# Altium PCB EVK-IRIS-W1.PcbDoc (part 4 of 9)
Units mm, origin at the board's own origin, x right, y up, seen from the top; angles counter-clockwise.
Board outline 94.11 x 129.93 mm, 6 copper layers (L1, L2, L3, L4, L5, L6), stack 1.547 mm thick; 619 components, 422 nets, 2042 pads, 1499 vias.
Unrouted connection lines stored in the file: 4.
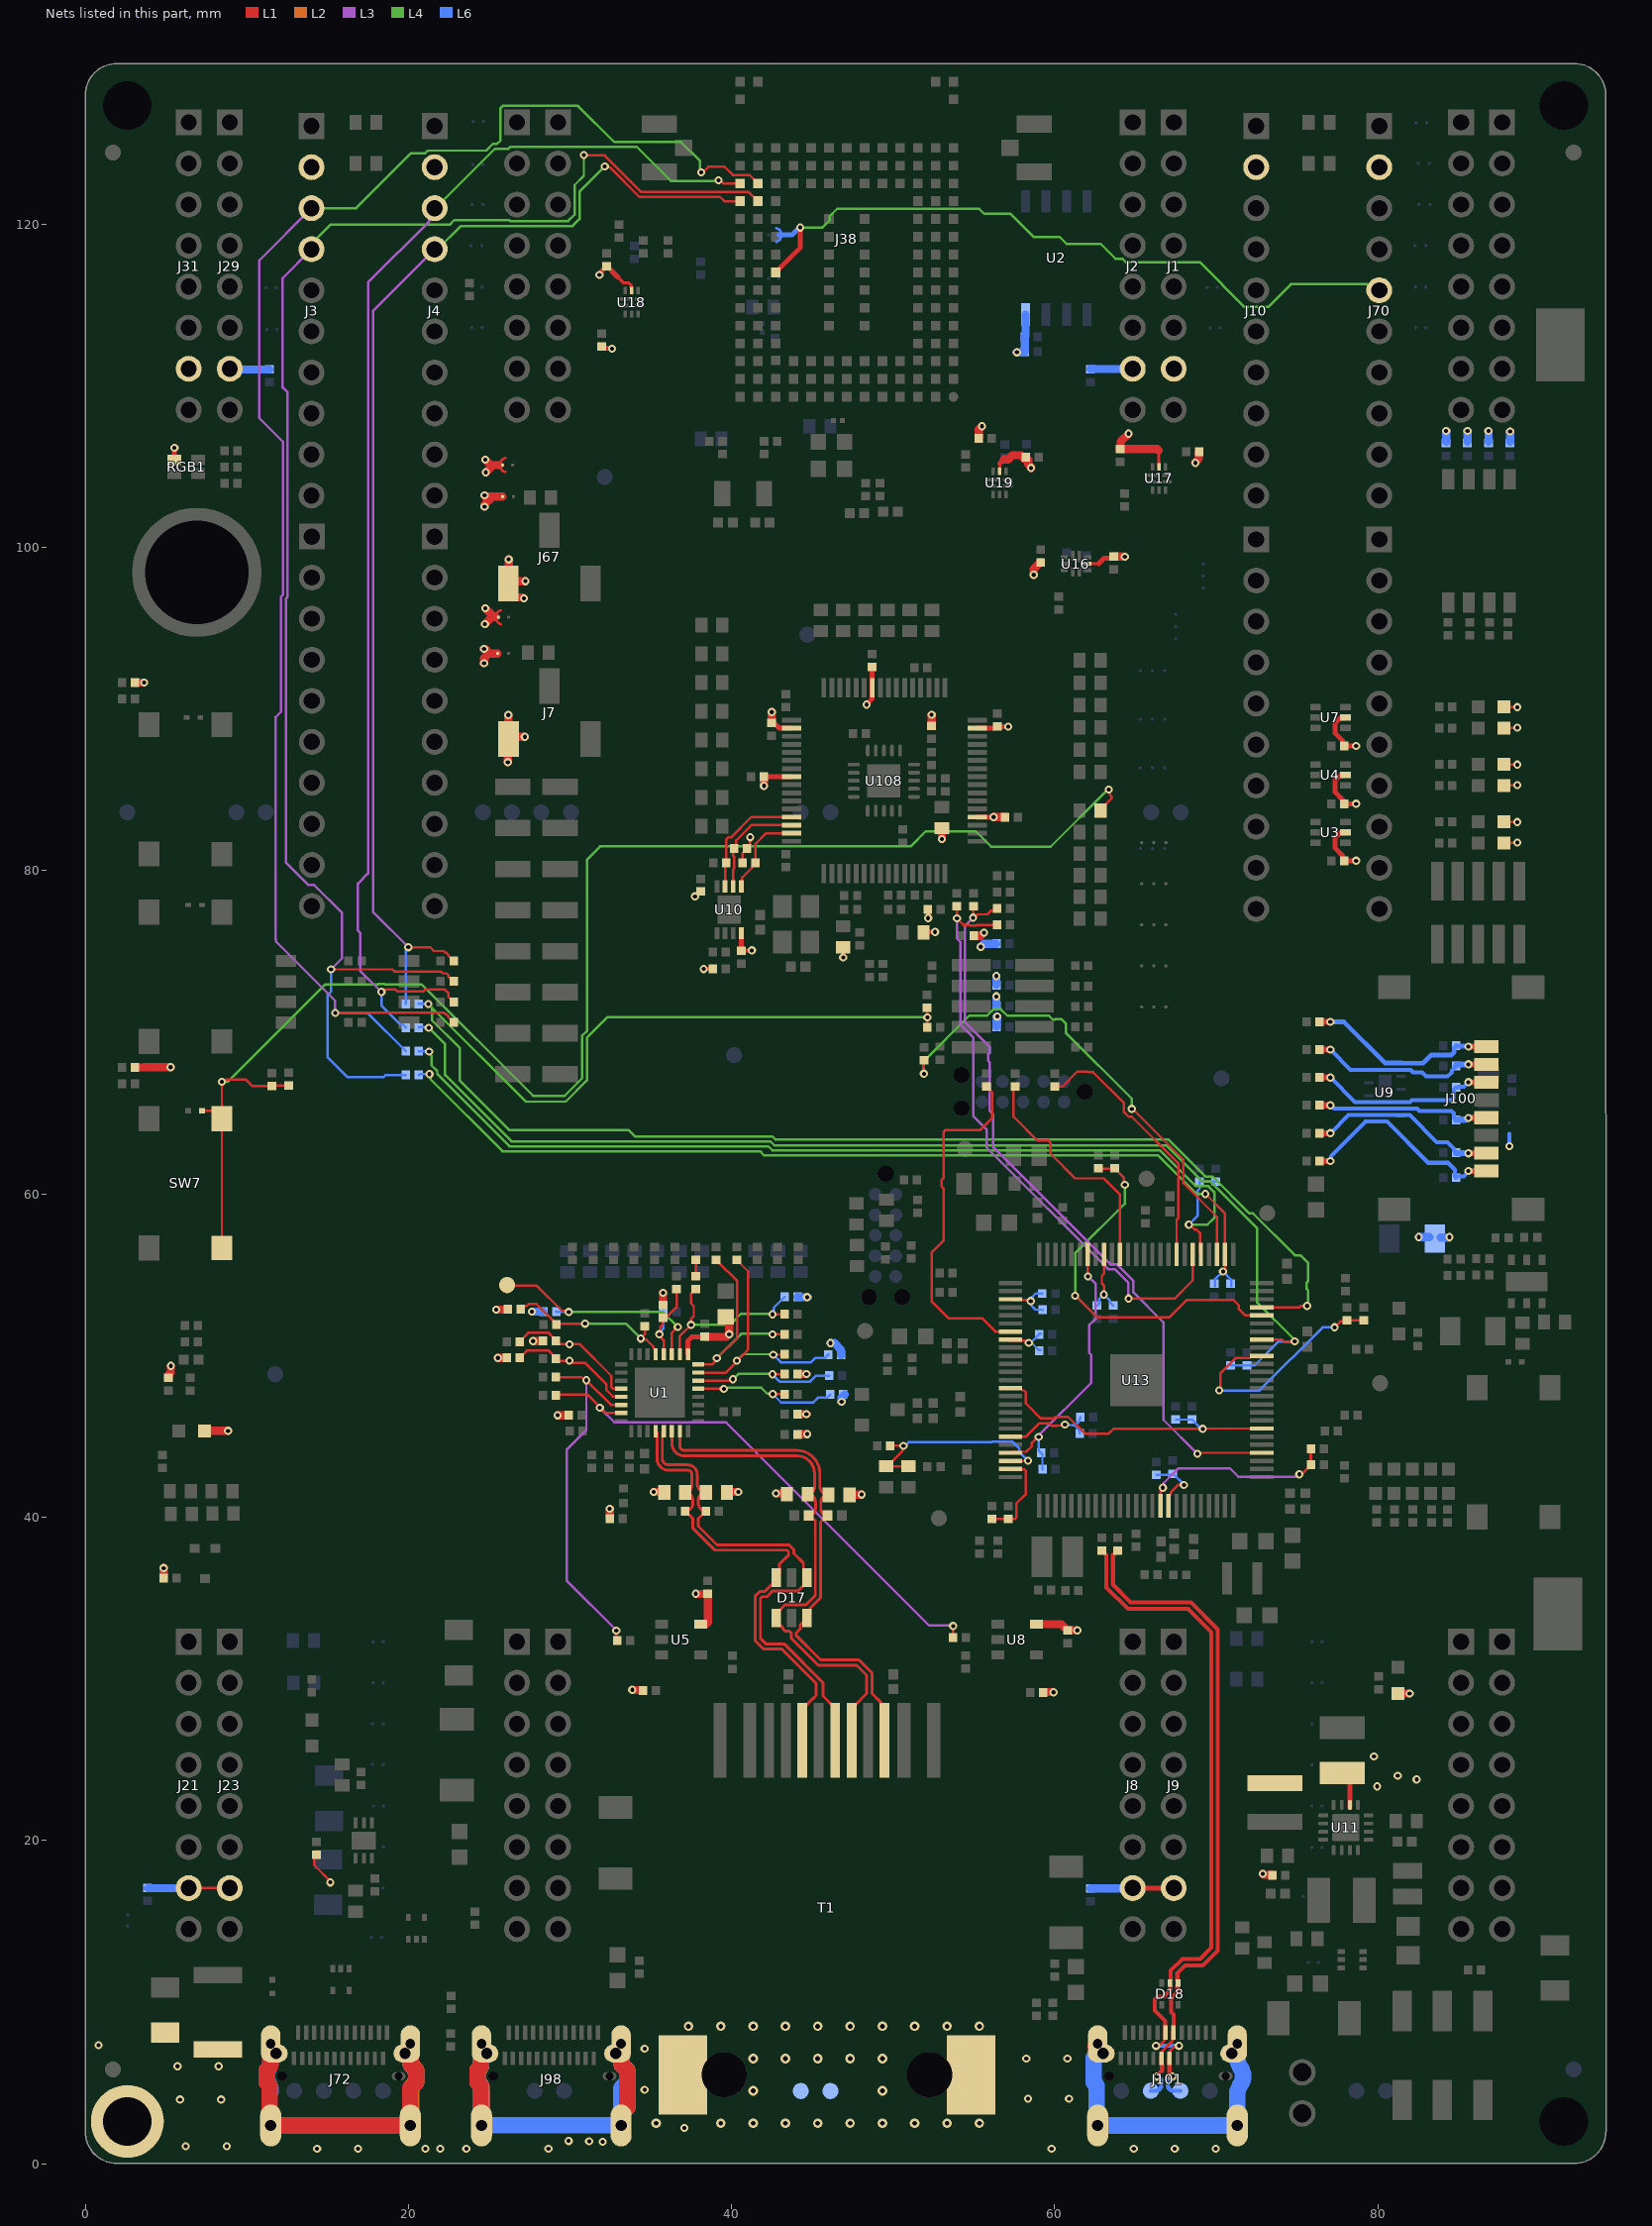
[diagram p8: the nets of this part, all layers, seen from the top]

## Via types
v1: diameter 0.508, hole 0.254, L1 to L6, 992 vias
v2: diameter 0.508, hole 0.254, L1 to L6, tented both sides, 288 vias
v3: diameter 0.5, hole 0.25, L1 to L6, 184 vias
v4: diameter 0.6, hole 0.3, L1 to L6, 27 vias
v5: diameter 0.5, hole 0.3, L1 to L6, 5 vias
v6: diameter 0.5, hole 0.2, L1 to L6, tented top, 2 vias
v7: diameter 0.6, hole 0.3, L1 to L6, tented both sides, 1 vias

## Nets (pads, with @x,y where several pads share a name; then routed paths per layer and width w, separated by ;. In a path a pad name is that pad's centre, name@x,y a point inside that pad or via, vN(x,y) a via of type N, cw(c..) or ccw(c..) an arc to the next point about the centre after c; other vN are vias at no path point) (continued)
+3V3: C2.2 C4.2 C5.2 C6.2 C13.1 C20.1 C21.1 C24.1 C25.1 C28.1 C39.1 C40.1 C41.1 C47.1 C60.1 C69.1 C75.1 C76.1 C77.1 C104.1 C105.1 C106.1 C107.1 C110.1 D2.2 D4.2 D5.2 D6.2 D7.2 D8.2 D9.2 D10.2 F3.1 F4.1 F5.1 J1.7 J2.7 J3.2 J4.2 J7.3 J8.7 J9.7 J10.2 J21.7 J23.7 J29.7 J31.7 J67.3 J70.2 J94.1 J95.1 J96.1 J97.1 J99.1 L3.2 R16.1 R17.1 R18.2 R20.2 R22.1 R23.1 R25.2 R26.2 R39.2 R45.1 R49.2 R81.2 R85.1 R86.2 R87.2 R88.2 R89.1 R91.2 R104.2 R105.2 R112.2 R113.1 R125.2 R128.2 R130.2 R131.2 R132.1 R133.2 R135.2 R146.2 R152.2 R155.2 R159.2 R160.2 R164.2 R165.2 R166.2 R168.2 R172.2 R209.2 R211.2 R252.1 R254.1 R256.1 R258.1 RGB1.4 U1.17 U2.8 U3.5 U4.5 U5.5 U7.5 U8.5 U10.8 U11.14 U16.9 U17.9 U18.9 U19.9 U108.20 U108.31 U108.42 U108.50 U108.56 | length 123
  L1 w0.15: R209.2@14.299,19.107 14.17,18.979 14.17,18.467 v2@15.165,17.473 ; R88.2@40.675,80.479 40.675,81.061 40.967,81.353 R87.2@40.967,81.368 41.152,81.553 v1(41.152,82.059) ; D9.2@87.8,81.712 87.8,81.727 v1(88.626,81.727) ; D8.2@87.8,83.012 87.8,82.997 v1(88.626,82.997) ; D7.2@87.8,85.268 87.8,85.283 v1(88.626,85.283) ; D6.2@87.8,86.568 87.8,86.553 v1(88.626,86.553) ; D5.2@87.8,88.824 87.8,88.839 v1(88.626,88.839) ; D4.2@87.8,90.124 87.8,90.109 v1(88.626,90.109)
  L1 w0.152: J21.7@6.405,17.048 J23.7@8.945,17.048
  L1 w0.2: U19.9@56.595,104.785 56.595,105.18
  L1 w0.205: 32.962,116.73 33.331,116.361 33.631,116.361 33.779,116.213 33.779,116.111 33.8,116.09 33.8,115.892 U18.9@33.812,115.88 ; U16.9@62.038,98.987 62.722,98.987 ; U17.9@66.443,104.983 66.443,105.986
  L1 w0.254: v1(37.741,78.401) 37.778,78.401 38.078,78.701 R86.2@38.093,78.701 ; v1(38.273,73.909) 38.283,73.919 38.84,73.919 R89.1@38.85,73.928 ; C41.1@40.604,75.031 40.619,75.046 41.239,75.046 v1(41.254,75.061) ; F4.1@46.892,75.257 46.907,75.242 v1(46.907,74.626) ; F3.1@51.885,76.161 51.925,76.2 v1(52.597,76.2) ; R85.1@52.131,77.609 52.149,77.591 52.149,77.077 v1(52.167,77.059)
  L1 w0.305: RGB1.4@5.525,105.415 v1(5.525,106.157) ; v1@31.899,116.933 31.899,117.016 32.265,117.382 C106.1@32.28,117.382 32.295,117.382 32.947,116.73 32.962,116.73 ; R256.1@31.95,112.418 32.057,112.311 v1@32.584,112.311 ; U1.17@37.302,50.075 37.306,50.078 37.306,50.912 37.544,51.151 C25.1@38.325,51.151 ; U10.8@40.595,76.127 40.598,76.125 40.598,75.038 C41.1@40.604,75.031 ; C28.1@42.009,85.813 42.013,85.809 U108.56@43.707,85.809 ; C60.1@42.472,89.134 42.487,89.134 42.595,89.027 42.743,89.027 42.96,88.809 U108.50@43.707,88.809 ; v1(48.361,90.27) 48.361,90.285 48.705,90.629 48.705,91.307 U108.42@48.707,91.309 C21.1@48.707,92.593 ; U108.20@55.207,83.309 v1(56.214,83.309) ; U108.31@55.208,88.81 56.343,88.81 56.445,88.913 C20.1@56.442,88.918 56.452,88.909 57.114,88.909 v1(57.124,88.899) ; 56.595,105.18 56.85,105.436 ; 62.722,98.987 63.07,99.335 63.54,99.335 C104.1@63.648,99.442 ; J8.7@64.825,17.048 J9.7@67.365,17.048 67.358,17.041 J9.7@66.707,17.041 ; U3.5@77.986,82.362 77.938,82.314 77.63,82.314 77.353,82.037 77.353,81.387 77.8,80.94 77.8,80.715 C77.1@77.907,80.607 v1(78.649,80.607) ; U4.5@77.986,85.918 77.938,85.87 77.63,85.87 77.353,85.593 77.353,84.846 77.8,84.4 77.8,84.237 C76.1@77.907,84.13 v1(78.649,84.13) ; U7.5@77.986,89.474 77.938,89.426 77.63,89.426 77.353,89.149 77.353,88.499 77.8,88.052 77.8,87.818 C75.1@77.907,87.711 v1(78.649,87.711) ; U11.14@78.256,22.022 78.256,23.393
  L1 w0.5: R45.1@55.006,75.958 55.431,75.958 v1(55.624,76.149) v1(55.624,76.149)
  L1 w0.501: J29.7@8.945,111.048 J29.7@8.989,111.005 ; C104.1@63.648,99.442 63.657,99.433 64.317,99.433 v1(64.337,99.416) v1(64.337,99.416) ; J2.7@64.807,111.03 J2.7@64.825,111.048
  L1 w0.508: R128.2@3.097,67.818 3.646,67.818 3.66,67.832 v1(5.286,67.832) ; R125.2@3.097,91.63 v1(3.646,91.63) ; R113.1@4.856,36.239 v1(4.856,36.846) ; R81.2@5.135,48.634 5.15,48.634 5.156,48.64 5.156,48.79 5.304,48.937 v1(5.304,49.351) ; D2.2@7.389,45.339 8.832,45.339 v1(8.837,45.334) ; v2(24.685,92.828) 24.685,93.147 24.971,93.432 J97.1@25.523,93.432 ; v2(24.685,93.717) 24.767,93.717 24.869,93.616 24.869,93.432 ; v2(24.711,102.506) 24.711,102.638 25.173,103.101 25.173,103.139 ; v2(24.711,103.217) 24.789,103.139 25.173,103.139 ; v2(24.736,95.241) 25.168,95.673 25.32,95.673 ; v2(24.761,96.232) 25.32,95.673 ; v2(24.761,105.427) 25.1,105.088 25.236,105.088 ; v2(24.787,104.639) 25.236,105.088 ; 25.4,95.673 25.32,95.673 ; v1(25.43,52.84) R146.2@25.979,52.84 ; v1(25.545,49.847) R165.2@26.094,49.847 ; 25.654,105.088 25.236,105.088 ; J96.1@25.828,103.139 25.173,103.139 ; v2(26.158,86.707) 26.158,87.908 J7.3@26.209,87.959 ; v2(26.184,89.628) 26.184,88.376 26.283,88.278 v2(27.205,88.278) ; J67.3@26.209,97.904 v2(27.24,97.904) ; J67.3@26.209,97.952 v2(26.209,99.255) ; J67.3@26.235,97.238 26.565,96.908 27.082,96.908 v2(27.149,96.842) ; v1(27.716,50.884) R164.2@28.265,50.884 ; v1(29.232,46.296) 29.781,46.296 R152.2@29.807,46.322 ; R132.1@32.46,39.924 v1(32.46,40.513) ; v1@33.878,29.298 R131.2@34.461,29.298 ; v1(35.177,41.554) R23.1@35.766,41.554 ; R168.2@35.76,53.122 35.76,53.871 v1(35.762,53.873) ; v1@37.815,35.242 C39.1@38.398,35.242 ; U5.5@38.23,33.371 38.424,33.371 38.53,33.477 C39.1@38.53,35.262 ; C25.1@38.346,51.157 38.346,51.151 39.694,51.151 v1(39.851,51.308) 39.851,52.167 C69.1@39.63,52.388 ; R22.1@39.796,41.554 v1(40.41,41.554) ; v1(42.006,85.245) C28.1@42.006,85.746 ; C60.1@42.487,89.134 v1(42.487,89.811) ; v1(42.753,41.461) R16.1@43.302,41.461 ; R135.2@44.086,46.37 v1(44.635,46.37) ; R159.2@44.086,48.844 v1(44.635,48.844) ; R133.2@44.136,45.133 v1(44.685,45.133) ; R17.1@47.5,41.394 v1(48.049,41.394) ; R91.2@52.378,88.956 v1(52.378,89.633) ; v1(53.013,81.946) F5.1@53.013,82.623 ; R258.1@55.299,106.748 55.305,106.754 55.305,107.3 v1(55.497,107.493) ; v1(56.214,83.309) C13.1@56.931,83.309 ; 56.85,105.436 57.119,105.436 57.376,105.693 57.921,105.693 58.179,105.436 C107.1@58.187,105.436 ; C107.1@58.22,105.579 58.226,105.573 58.226,105.558 58.356,105.428 58.356,105.137 58.543,104.949 v1@58.543,104.919 ; v1(58.698,98.298) 58.698,98.65 59.115,99.066 R252.1@59.13,99.066 ; U8.5@59.022,33.371 60.415,33.371 60.798,32.988 C40.1@60.813,32.988 ; R130.2@59.312,29.172 v1@59.895,29.172 ; C40.1@60.785,33.008 v1@61.369,33.008 ; C105.1@64.036,106.088 C105.1@64.057,106.088 C105.1@64.072,106.088 ; v1(64.563,107.027) 64.078,106.541 64.078,106.094 C105.1@64.072,106.088 ; 66.443,105.986 66.34,106.088 C105.1@64.072,106.088 ; v1@68.678,105.249 68.919,105.49 68.919,105.903 R254.1@68.925,105.909 ; v1(72.871,17.932) 72.936,17.868 73.456,17.868 73.462,17.862 R39.2@73.462,17.847 ; D10.2@81.203,29.096 81.216,29.083 v1(81.964,29.083)
  L6 w0.25: v1@88.132,63.038 J99.1@88.132,63.699
  L6 w0.501: C6.2@3.876,17.048 J21.7@6.405,17.048 ; J29.7@8.989,111.005 C2.2@11.405,111.005 ; R166.2@44.077,53.631 44.077,53.616 44.087,53.606 v1(44.669,53.606) 44.715,53.606 v1@44.728,53.594 ; v2(55.421,75.286) 55.423,75.286 55.602,75.464 56.383,75.464 56.393,75.474 R105.2@56.393,75.489 ; R49.2@56.386,71.571 v2(56.386,72.212) ; R112.2@56.386,72.943 v2@56.386,73.473 ; R104.2@56.393,70.327 56.402,70.336 56.402,70.688 56.436,70.721 56.436,70.966 v2(56.437,70.968) ; v1(57.656,112.065) 57.658,112.066 58.126,112.066 C47.1@58.135,112.075 ; C47.1@58.145,112.098 C24.1@58.145,113.03 C24.1@58.145,113.045 ; C5.2@62.2,17.026 J8.7@64.803,17.026 ; C4.2@62.2,111.03 J2.7@64.807,111.03 ; R18.2@84.223,106.544 v2(84.223,107.2) ; R20.2@85.544,106.544 v2(85.544,107.2) ; R25.2@86.839,106.544 v2(86.839,107.2) ; R26.2@88.185,106.519 v2(88.185,107.174)
  L6 w0.508: v1(27.644,52.707) R172.2@28.334,52.707 ; v1(46.123,50.766) 46.359,50.766 46.763,50.362 46.763,50.04 R160.2@46.775,50.028 ; v1(46.809,47.134) 46.809,47.393 R155.2@47.011,47.596 ; C24.1@58.145,113.045 58.19,113.089 U2.8@58.19,114.407 ; v1(82.521,57.319) R211.2@83.179,57.319 ; R211.2@83.87,57.294 v1@84.397,57.294
  other v1: 79.956,23.334 82.394,23.766 81.226,23.994 79.752,25.188 59.922,29.159 33.851,29.312 61.396,32.995 37.788,35.255 84.423,57.319 88.136,62.941 58.531,104.911 68.706,105.224 32.61,112.285 31.823,116.857
  other v2: 15.162,17.399 56.388,73.474
+VPA: J38.L8 J70.5 J116.1 | length 44.6
  L1 w0.305: J38.L8@42.731,117.012 44.245,118.526 v1(44.245,119.786)
  L4 w0.152: v1@44.242,119.786 v1(44.245,119.786) 45.628,119.786 46.08,120.239 46.08,120.49 46.532,120.942 55.323,120.942 55.635,120.63 57.274,120.63 58.697,119.207 60.293,119.207 60.73,118.77 62.844,118.77 63.758,117.856 64.186,117.856 64.4,117.642 68.97,117.642 71.739,114.873 73.21,114.873 74.618,116.281 79.311,116.281 79.694,115.899 J70.5@80.085,115.899
  L6 w0.305: J116.1@42.917,119.325 43.092,119.325 43.729,119.325 44.19,119.786 v1(44.245,119.786)
ADC0_CH1_CURR: R241.1 R242.1 U13.14 U13.57 | length 19.2
  L1 w0.15: U13.14@57.266,47.977 57.856,47.977 57.996,47.837 58.084,47.837 58.216,47.706 58.216,47.249 58.216,47.027 59.147,46.096 59.935,46.096 60.038,46.199 60.827,46.199 61.861,45.165 63.341,45.165 63.632,45.455 v1(69.155,45.455) ; v1@69.155,45.477 U13.57@72.816,45.477
  L6 w0.15: R242.1@67.486,46.031 R241.1@68.49,46.031 68.505,46.031 69.081,45.455 v1(69.155,45.455)
ADC1_CH1_V: R239.1 R240.2 U13.20 | length 5.9
  L1 w0.15: U13.20@57.203,44.983 58.215,44.983 59.028,45.796 59.655,45.796 59.807,45.644 60.131,45.644 60.149,45.662 60.57,45.662 v1(60.628,45.72)
  L6 w0.15: v1(60.628,45.72) 60.654,45.695 61.09,45.695 ccw(c61.09,46.185) R239.1@61.58,46.185 ; 61.035,45.695 cw(c61.035,45.18) R240.2@61.549,45.18
BOOTn: D1.1 R7.2 R216.2 R218.2 SW7.1 SW7.2 | length 94.4
  L1 w0.15: D1.1@7.222,65.146 7.96,65.146 cw(c7.96,64.651) SW7.1@8.456,64.651 ; SW7.2@8.456,56.651 SW7.1@8.456,64.651 ; R216.2@12.598,66.707 11.582,66.707 R218.2@11.557,66.681 10.331,66.681 9.957,67.056 8.679,67.056 8.553,66.929 v1(8.456,66.929) SW7.1@8.456,64.651 ; R7.2@62.834,83.709 62.834,83.784 63.498,84.448 63.498,84.598 63.416,84.68 63.416,84.945 v1(63.348,85.014)
  L4 w0.15: v1(8.456,66.929) 8.465,66.939 8.824,66.939 14.834,72.949 18.111,72.949 18.133,72.971 18.53,72.971 18.552,72.949 20.835,72.949 27.723,66.06 29.667,66.06 30.751,67.144 30.751,69.785 31.064,70.098 31.064,80.691 31.868,81.494 51.074,81.494 52.005,82.425 55.122,82.425 56.073,81.474 59.744,81.474 63.284,85.014 v1(63.348,85.014)
Chassis-GND: C50.2 J72.SHLD J98.SHLD J101.SHLD pad.5@2.607,2.609 R137.2 T1.Shell TP3.1 TP5.1 | length 113.1
  L1 w1.016: J72.SHLD@11.459,7.349 J72.SHLD@11.459,7.391 ; J72.SHLD@11.481,7.412 J72.SHLD@11.459,7.391 ; J72.SHLD@20.121,2.011 J72.SHLD@20.121,2.362 ; J72.SHLD@20.121,7.412 20.156,7.377 20.156,6.116 20.484,5.788 20.484,5.036 20.121,4.673 J72.SHLD@20.121,2.362 ; J98.SHLD@24.526,2.362 24.471,2.417 24.471,4.832 24.288,5.015 24.288,5.809 24.49,6.012 24.49,7.377 J98.SHLD@24.526,7.412 ; J98.SHLD@33.166,2.362 33.166,3.089 33.529,3.452 33.529,5.788 33.201,6.116 33.201,7.377 J98.SHLD@33.166,7.412 ; J101.SHLD@62.519,7.275 J101.SHLD@62.981,6.812 ; J101.SHLD@62.571,6.827 62.656,6.912 J101.SHLD@62.656,7.412 ; J72.SHLD@11.459,7.391 11.446,7.377 11.446,6.012 11.243,5.809 11.243,5.015 11.426,4.832 11.426,2.417 J72.SHLD@11.481,2.362 J72.SHLD@20.121,2.362
  L3 w1.016: J72.SHLD@20.121,2.362 20.121,4.673 20.484,5.036 20.484,5.788 20.156,6.116 20.156,7.377 J72.SHLD@20.121,7.412 ; J98.SHLD@33.166,2.362 33.166,3.089 33.529,3.452 33.529,5.788 33.201,6.116 33.201,7.377 J98.SHLD@33.166,7.412
  L2 w1.016: J72.SHLD@20.121,2.362 20.175,2.417 20.175,4.727 20.484,5.036 20.484,5.788 20.156,6.116 20.156,7.377 J72.SHLD@20.121,7.412 ; J98.SHLD@24.526,2.362 24.526,4.777 24.288,5.015 24.288,5.809 24.49,6.012 24.49,7.377 J98.SHLD@24.526,7.412 ; J98.SHLD@33.166,2.362 33.166,3.089 33.529,3.452 33.529,5.788 33.201,6.116 33.201,7.377 J98.SHLD@33.166,7.412
  L6 w1.016: J72.SHLD@11.481,2.362 J72.SHLD@20.064,2.362 ; 11.481,4.475 ccw(c10.465,4.473) 11.359,4.955 cw(c12.201,5.412) 11.359,5.87 ccw(c10.465,6.352) 11.481,6.35 J72.SHLD@11.481,7.412 ; J72.SHLD@20.121,2.362 20.121,4.29 cw(c21.137,4.287) 20.312,4.88 ccw(c19.576,5.412) 20.311,5.944 cw(c21.137,6.537) 20.121,6.535 J72.SHLD@20.121,7.412 ; J98.SHLD@24.526,2.362 J98.SHLD@24.526,2.388 ; J98.SHLD@24.526,7.412 24.526,6.35 cw(c23.51,6.352) 24.404,5.87 ccw(c25.246,5.412) 24.404,4.955 cw(c23.51,4.473) 24.526,4.475 J98.SHLD@24.526,2.388 ; J98.SHLD@33.12,2.388 J98.SHLD@24.526,2.388 ; J98.SHLD@33.166,2.362 33.166,4.673 33.529,5.036 33.529,5.788 33.201,6.116 33.201,7.377 J98.SHLD@33.166,7.412 ; J101.SHLD@62.656,7.412 62.656,6.812 62.418,6.574 62.418,5.015 62.602,4.832 62.602,2.417 J101.SHLD@62.656,2.362 J101.SHLD@71.296,2.362 71.296,4.29 cw(c72.312,4.287) 71.487,4.88 ccw(c70.751,5.412) 71.487,5.944 cw(c72.312,6.537) 71.296,6.535 J101.SHLD@71.296,7.412
  other v1: 32.023,1.349 31.185,1.374 29.915,1.4 37.078,2.213
  other v2: 14.347,0.92 16.887,0.92 21.047,0.92 21.967,0.92 23.587,0.92 28.667,0.92 59.807,0.92 64.887,0.92 67.427,0.92 69.967,0.92 6.223,1.067 8.763,1.067 5.867,3.962 8.407,3.962 58.344,4.013 60.884,4.013 34.62,4.572 5.715,6.02 8.255,6.02 58.242,6.502 60.782,6.502 34.62,7.112 0.822,7.329
  other v4: 35.335,2.5 39.335,2.5 41.335,2.5 43.335,2.5 45.335,2.5 47.335,2.5 49.335,2.5 51.335,2.5 53.335,2.5 55.335,2.5 41.335,4.5 49.335,4.5 41.335,6.5 43.335,6.5 45.335,6.5 47.335,6.5 49.335,6.5 37.335,8.5 39.335,8.5 41.335,8.5 43.335,8.5 45.335,8.5 47.335,8.5 49.335,8.5 51.335,8.5 53.335,8.5 55.335,8.5
CLK: C112.1 J100.5 R100.2 U9.7 | length 10.9
  L1 w0.378: R100.2@76.325,65.475 v1@77.003,65.475 ; v1@85.622,64.71 J100.5@86.703,64.71
  L6 w0.25: v1@77.006,65.472 77.076,65.472 77.278,65.27 U9.7@79.441,65.27 82.436,65.27 82.573,65.132 84.553,65.132 84.699,64.986 84.699,64.702 C112.1@84.834,64.567
  L6 w0.378: C112.1@84.834,64.567 84.852,64.585 85.454,64.585 85.563,64.694 v1(85.598,64.694)
  other v1: 77.06,65.472
CMD: C101.1 J100.3 R98.2 U9.4 | length 11.7
  L1 w0.25: R98.2@76.38,67.198 R98.2@76.381,67.196 ; v1@77.059,67.196 v1(77.06,67.195)
  L1 w0.378: R98.2@76.38,67.198 v1@77.057,67.198 ; v1@85.602,66.91 J100.3@86.703,66.91
  L6 w0.25: v1(77.06,67.195) 78.585,65.67 81.975,65.67 82.091,65.786 84.553,65.786 84.699,65.932 84.699,66.465 C101.1@84.834,66.6 ; C101.1@84.914,66.579 84.969,66.634 85.323,66.634 v1(85.598,66.91)
CRSDV: R140.1 R281.1 | length 1.1
  L1 w0.152: R281.1@37.775,55.913 37.792,55.896 R140.1@37.792,54.844
CTRL_CAL_DISC: R231.1 R232.2 U13.3 | length 3.4
  L1 w0.15: U13.3@57.266,53.477 57.322,53.421 58.464,53.421 v1(58.52,53.365)
  L6 w0.15: R232.2@59.236,53.837 58.82,53.837 58.588,53.605 58.588,53.434 v1(58.52,53.365) 58.588,53.297 58.588,53.058 58.814,52.832 59.237,52.832 R231.1@59.244,52.825
CTRL_CAL_R1: R227.1 R228.2 U13.41 | length 12.3
  L1 w0.15: U13.41@66.544,40.768 66.544,41.773 v1@66.588,41.817
  L1 w0.178: v1@75.182,42.697 75.331,42.697 75.849,43.216 R227.1@75.849,43.231 R228.2@75.849,44.235
  L3 w0.15: v1(66.69,41.817) 66.758,41.886 66.758,42.122 67.66,43.024 70.835,43.024 71.369,42.489 74.877,42.489 75.035,42.647 v1(75.132,42.647)
CTRL_CAL_R2: R229.1 R230.1 U13.42 | length 3.9
  L1 w0.152: U13.42@67.041,40.702 67.041,41.292 67.179,41.431 67.179,41.521 67.67,42.012 v1@67.918,42.012
  L6 w0.152: R229.1@66.29,42.619 67.225,42.619 R230.1@67.295,42.689 67.31,42.689 67.994,42.004 v1(67.994,41.986)
CTRL_HIGH_CURR: R233.1 R234.1 U13.22 U13.94 | length 17.5
  L1 w0.15: U13.22@57.266,43.977 57.326,44.037 58.234,44.037 58.584,44.387 58.584,44.593 58.949,44.958 v1(59.003,44.958) ; U13.94@62.041,56.252 62.041,54.899 v1@62.076,54.864
  L3 w0.15: v1(59.003,44.958) 59.003,45.055 62.255,48.308 62.255,50.035 62.13,50.16 62.13,51.887 62.535,52.292 62.535,54.42 v1(62.062,54.893)
  L6 w0.15: v1(59.003,44.958) 59.003,44.126 59.238,43.891 R233.1@59.238,42.951
CTRL_HIGH_CURR_DIS: R237.1 R238.1 U13.92 | length 4.4
  L1 w0.15: U13.92@63.041,56.252 63.041,55.053 62.914,54.927 62.914,54.461 63.041,54.334 v1(63.041,53.772)
  L6 w0.15: R238.1@62.621,53.08 62.74,53.198 62.74,53.47 v1(63.041,53.772) 63.425,53.388 63.425,53.265 63.61,53.08 R237.1@63.625,53.08
CTRL_HIGH_CURR_EN: R235.1 R236.2 U13.8 | length 3.2
  L1 w0.15: U13.8@57.156,50.995 57.233,50.917 58.153,50.917 58.296,50.775 v1(58.393,50.775)
  L6 w0.15: R235.1@59.126,50.35 58.995,50.35 58.639,50.706 58.461,50.706 v1(58.393,50.775) 58.461,50.843 58.577,50.843 59.087,51.354 R236.2@59.126,51.354
CURR_RANGE_SET: R178.1 R180.2 U13.24 | length 5.7
  L1 w0.15: R180.2@56.107,39.884 57.543,39.884 57.631,39.972 57.631,40.843 58.216,41.428 58.216,42.849 58.116,42.949 57.294,42.949 U13.24@57.266,42.977
DAT0: C113.1 J100.7 R101.2 U9.5 | length 11.8
  L1 w0.378: R101.2@76.38,63.754 v1@77.057,63.754 ; v1@85.622,62.51 J100.7@86.703,62.51
  L6 w0.25: v1(77.06,63.75) 78.18,64.87 U9.5@81.441,64.87 81.962,64.87 83.637,63.195 84.298,63.195 84.699,62.794 84.699,62.67 C113.1@84.834,62.535
  L6 w0.378: C113.1@84.834,62.535 84.859,62.51 v1(85.598,62.51)
DAT1: C114.1 J100.8 R102.2 U9.6 | length 13.3
  L1 w0.378: R102.2@76.38,62.032 v1@77.057,62.032 ; v1@85.622,61.41 J100.8@86.703,61.41
  L3 w0.15: v1@85.615,61.418 v1@85.622,61.41
  L6 w0.25: v1(77.06,62.028) 77.11,62.078 77.11,62.327 79.253,64.47 80.563,64.47 83.112,61.921 84.331,61.921 84.76,61.491 84.76,61.074 C114.1@84.834,61 84.834,61.015 84.905,61.086 85.312,61.086 85.574,61.348 85.574,61.385 v1(85.598,61.41)
DAT2: C99.1 J100.1 R83.2 U9.1 | length 12.1
  L1 w0.378: R83.2@76.38,70.642 v1@77.057,70.642 ; v1@85.622,69.11 J100.1@86.703,69.11 J100.1@86.903,69.11
  L6 w0.29: v1(77.06,70.639) 77.899,70.639 80.448,68.09 81.452,68.09 81.457,68.086 82.802,68.086 83.308,68.592 84.549,68.592 84.719,68.761 84.719,69.034 84.795,69.11 C99.1@84.806,69.11 ; C99.1@84.834,69.164 84.861,69.137 85.571,69.137 v1(85.598,69.11)
DAT3: C100.1 J100.2 R97.2 U9.10 | length 11.4
  L1 w0.378: R97.2@76.38,68.92 v1@77.057,68.92 ; v1(85.598,68.01) v1@85.598,68.019 ; v1@85.608,68.01 J100.2@86.703,68.01
  L6 w0.25: v1(77.06,68.917) 78.308,67.67 80.817,67.67 80.821,67.666 82.022,67.666 82.174,67.513 82.726,67.513 82.976,67.264 84.311,67.264 84.569,67.522 84.569,67.631 84.834,67.896 C100.1@84.834,67.911
  L6 w0.378: C100.1@84.834,67.911 84.834,67.926 84.905,67.997 85.114,67.997 85.127,68.01 v1@85.563,68.01
DBGIF_DETECT: R224.1 U13.78 | length 30.3
  L1 w0.15: v1@51.898,67.476 R224.1@51.898,68.275 ; v1@64.768,65.303 67.954,62.118 67.954,60.668 70.041,58.581 U13.78@70.041,56.252
  L4 w0.15: v1(51.902,67.43) 51.902,68.209 54.712,71.018 55.811,71.018 56.239,71.447 56.636,71.447 57.064,71.018 59.639,71.018 59.881,70.777 60.005,70.777 60.028,70.799 60.425,70.799 60.705,70.519 60.705,70.122 60.683,70.099 60.683,69.975 64.768,65.889 v1(64.768,65.253)
DBGIF_ISP0_CTRL: R32.1 R68.1 R217.1 U13.72 | length 106.9
  L1 w0.15: R217.1@52.094,71.507 52.119,71.482 v1(52.119,70.917) 52.119,70.311 R68.1@52.116,70.307 ; U13.72@72.816,52.977 75.134,52.977
  L1 w0.152: 75.134,52.977 75.227,53.07 75.604,53.07 v1(75.614,53.061)
  L4 w0.15: v1(21.231,71.746) 21.461,71.516 27.271,65.706 29.737,65.706 31.051,67.02 31.051,69.661 32.307,70.917 v1(52.119,70.917)
  L4 w0.152: 21.461,71.516 21.461,70.747 23.189,69.02 23.189,66.995 26.251,63.932 33.635,63.932 34.019,63.548 42.52,63.548 42.701,63.368 67.033,63.368 69.33,61.071 69.762,61.071 72.046,58.788 72.275,58.788 74.863,56.199 75.202,56.199 75.69,55.71 75.69,54.613 75.589,54.512 75.589,54.114 75.69,54.013 75.69,53.328 75.682,53.32 75.682,53.129 v1(75.614,53.061)
  L6 w0.152: R32.1@20.64,71.746 v1(21.231,71.746)
DBGIF_ISP1_CTRL: R33.1 R243.1 R245.2 U13.77 | length 59.4
  L1 w0.15: v1@69.364,59.961 70.541,58.784 U13.77@70.541,56.252 ; v1@70.514,55.194 70.558,55.238 U13.77@70.558,56.243
  L4 w0.152: v1(21.307,67.403) 21.374,67.336 21.374,67.092 25.83,62.636 41.756,62.636 42,62.392 66.384,62.392 68.79,59.986 v1(69.313,59.986)
  L6 w0.15: R243.1@69.913,54.273 69.913,54.694 v1(70.412,55.194) 70.917,54.689 R245.2@70.917,54.273
  L6 w0.152: R33.1@20.64,67.352 20.691,67.403 v1(21.307,67.403)
DBGIF_ISP2_CTRL: R34.1 R246.1 R247.1 U13.68 | length 72.7
  L1 w0.15: U13.68@72.793,50.969 74.065,50.969 74.167,50.868 v1(74.85,50.868)
  L4 w0.152: v1(21.256,70.273) 22.274,69.255 22.274,67.35 26.378,63.246 42.395,63.246 42.644,62.997 66.897,62.997 69.125,60.769 69.637,60.769 72.515,57.891 72.515,53.304 v1@74.85,50.969
  L6 w0.15: R246.1@70.89,49.384 R247.1@71.894,49.384 72.369,49.384 73.853,50.868 v1(74.85,50.868)
  L6 w0.152: R34.1@20.64,70.282 20.683,70.324 v1@21.231,70.324
DBGIF_ISP3_CTRL: R36.1 R248.1 R250.2 U13.80 | length 62.9
  L1 w0.152: v1(68.299,58.09) 68.368,58.09 68.675,57.783 68.773,57.783 69.012,57.544 69.012,56.281 U13.80@69.041,56.252
  L4 w0.152: v1(21.282,68.8) 21.282,68.704 21.436,68.549 21.436,67.953 21.787,67.602 21.787,67.41 26.256,62.941 42.272,62.941 42.519,62.694 66.51,62.694 68.738,60.466 69.512,60.466 69.874,60.104 69.874,58.515 69.449,58.09 v1(68.299,58.09)
  L6 w0.152: R36.1@20.64,68.817 21.222,68.817 v1@21.231,68.825 ; v1(68.299,58.09) 68.855,58.646 68.855,59.649 68.833,59.672 68.833,60.185 68.964,60.316 R248.1@68.964,60.758 R250.2@69.968,60.758
DBGIF_RESET: R43.2 U13.90 | length 14.6
  L1 w0.15: R43.2@57.555,66.631 57.455,66.531 57.455,64.77 58.933,63.292 59.613,63.292 59.744,63.16 59.744,62.48 61.268,60.956 63.039,60.956 64.041,59.954 U13.90@64.041,56.252
DBGIF_RESET_TXEN: R221.1 R223.1 U13.71 | length 23.5
  L1 w0.152: v1@61.29,53.696 62.617,52.369 67.112,52.369 68.182,53.439 71.052,53.439 71.397,53.094 71.397,52.87 71.79,52.477 U13.71@72.816,52.477 ; R223.1@62.708,61.576 62.734,61.551 63.712,61.551 63.727,61.551 64.27,61.008 64.27,60.624 v1(64.338,60.556)
  L4 w0.152: v1(61.265,53.696) 61.265,56.316 64.338,59.389 v1(64.338,60.556) v1@64.338,60.579
DBGIF_TCK_SWCLK: R2.2 R296.2 U13.54 | length 46.1
  L1 w0.15: R2.2@54.964,77.782 54.949,77.767 54.949,77.15 v1(54.949,77.082) 55.009,77.082 55.216,77.288 55.829,77.288 56.046,77.505 56.293,77.505 R296.2@56.444,77.656 ; v1@68.807,43.891 v1(68.827,43.911) 68.893,43.977 U13.54@72.816,43.977
  L3 w0.15: v1(54.949,77.082) 54.949,77.079 54.451,76.582 54.451,70.603 55.982,69.073 55.982,68.724 55.884,68.626 55.884,68.229 55.982,68.131 55.982,65.132 56.194,64.919 56.194,62.883 63.434,55.643 63.837,55.643 64.865,54.615 64.865,53.904 66.726,52.043 66.726,46.012 v1(68.827,43.911)
DBGIF_TDI: R292.2 U13.7 | length 22
  L1 w0.15: R292.2@55.777,66.631 55.792,66.631 55.977,66.446 55.977,66.431 56.134,66.273 56.134,64.7 55.366,63.932 53.222,63.932 53.134,63.844 53.134,60.991 52.995,60.852 52.995,60.455 53.134,60.315 53.134,57.114 52.401,56.381 52.401,53.321 53.42,52.302 55.494,52.302 56.319,51.477 U13.7@57.266,51.477
DBGIF_TDO_SWO: R290.2 U13.83 | length 16.4
  L1 w0.15: R290.2@60,66.631 60.459,66.631 61.396,67.567 62.029,67.567 62.081,67.515 62.38,67.515 64.289,65.606 64.289,65.054 64.57,64.774 64.765,64.774 67.654,61.885 67.654,58.514 67.541,58.401 U13.83@67.541,56.252
DBGIF_TMS_SWDIO: R12.2 R294.2 U13.81 | length 37.6
  L1 w0.15: R12.2@53.948,77.782 v1(53.948,77.045) 54.349,76.644 54.71,76.644 54.75,76.603 55.147,76.603 55.188,76.644 R294.2@56.418,76.644 ; v1(64.565,53.518) 67.411,53.518 68.541,54.648 U13.81@68.541,56.252
  L3 w0.15: v1(53.948,77.045) 53.948,75.794 54.151,75.59 54.151,70.479 54.966,69.665 54.966,64.795 55.782,63.979 55.782,62.87 63.309,55.343 63.713,55.343 64.565,54.491 v1(64.565,53.518)
DBGIF_TMS_SWDIO_TXEN: R219.1 R220.2 U13.66 | length 14.8
  L1 w0.15: v1(70.179,47.834) 70.247,47.902 70.247,48.887 71.197,49.837 72.086,49.837 72.226,49.977 U13.66@72.816,49.977 ; v1(77.318,51.74) 77.678,52.101 78.006,52.101 R219.1@78.091,52.186 R220.2@79.121,52.186
  L6 w0.15: v1(70.179,47.834) 72.665,47.834 76.571,51.74 v1(77.318,51.74)
DBGIF_VREF: C92.1 R186.2 R196.2 U13.23 | length 13.4
  L1 w0.15: R186.2@49.571,43.144 R186.2@49.646,43.144 ; C92.1@49.827,44.399 49.839,44.412 v1(50.644,44.412) 50.575,44.343 50.575,44.073 R186.2@49.646,43.144 ; R196.2@50.948,43.144 R186.2@49.646,43.144 ; U13.23@57.266,43.477 57.269,43.481 58.338,43.481 v1(58.342,43.485)
  L6 w0.15: v1(50.644,44.412) 50.741,44.412 50.952,44.623 56.075,44.623 56.131,44.679 57.366,44.679 57.82,44.225 57.82,44.007 v1(58.342,43.485)
ENET_B-CAST-OFF: R172.1 TP23.1 U1.19 | length 14.1
  L1 w0.152: TP23.1@26.237,54.331 27.928,54.331 29.503,52.756 29.858,52.756 v1(29.926,52.688) ; U1.19@36.295,50.082 36.295,51.378 v1(36.674,51.757)
  L4 w0.152: v1(29.926,52.688) 35.743,52.688 v1(36.674,51.757)
  L6 w0.152: R172.1@29.149,52.722 29.183,52.688 v1(29.926,52.688) ; v1@36.674,51.738 v1(36.674,51.757)
ENET_CONFIG0: R161.1 R164.1 U1.28 | length 8.4
  L1 w0.152: R161.1@26.891,50.851 26.891,50.866 27.419,51.394 28.677,51.394 28.94,51.132 28.94,51.077 R164.1@29.124,50.893 29.124,50.878 29.308,50.694 v1(29.968,50.694) 30.61,50.694 32.561,48.743 32.561,48.041 32.65,47.952 33.156,47.952 U1.28@33.167,47.94
ENET_CONFIG1: R162.1 R165.1 U1.29 | length 7.9
  L1 w0.152: R165.1@26.891,49.847 26.891,49.862 27.331,50.302 28.677,50.302 28.94,50.039 28.94,49.985 R162.1@29.124,49.801 29.251,49.674 v1(29.968,49.674) 30.064,49.674 30.19,49.549 30.917,49.549 32.259,48.207 32.259,47.853 32.655,47.456 33.151,47.456 U1.29@33.167,47.44
ENET_CONFIG2: R140.2 R163.1 R166.1 U1.18 | length 12
  L1 w0.152: U1.18@36.802,50.075 36.802,51.199 v1(37.495,51.892) 37.495,52.28 37.662,52.447 37.662,53.052 37.495,53.219 37.495,53.824 37.572,53.901 37.572,53.916 37.756,54.1 R140.2@37.771,54.1 ; v1(42.533,52.542) R163.1@43.222,52.542
  L4 w0.152: v1(37.495,51.892) 39.894,51.892 40.574,52.572 42.502,52.572 v1(42.533,52.542)
  L6 w0.152: v1(42.533,52.542) 42.601,52.61 42.601,52.94 43.277,53.616 R166.1@43.277,53.631
ENET_DUPLEX: R138.2 R171.1 U1.16 | length 13.2
  L1 w0.152: U1.16@37.937,49.44 38.802,49.44 v1@39.111,49.748 ; R138.2@39.044,55.913 39.111,55.847 40.356,54.602 40.356,51.095 v1(39.087,49.826) ; v1(42.533,51.305) R171.1@43.222,51.305
  L4 w0.152: v1(39.087,49.826) 40.596,51.335 42.502,51.335 v1(42.533,51.305)
ENET_ISO: R141.2 R167.1 R168.1 U1.20 | length 6.2
  L1 w0.152: R168.1@35.76,52.322 R168.1@35.76,52.138 ; U1.20@35.802,50.075 35.802,50.942 35.533,51.212 v1(35.533,51.308) 35.601,51.376 35.601,51.777 35.76,51.936 R168.1@35.76,52.138 ; R141.2@36.577,54.1 36.598,54.079 36.598,52.976 R168.1@35.76,52.138
  L6 w0.152: v1(35.533,51.308) 35.533,51.404 35.785,51.656 35.785,52.665 R167.1@35.791,52.671
ENET_LED0/NWAYEN: R147.1 R169.1 U1.30 | length 22.7
  L1 w0.152: R169.1@29.124,48.658 30.721,48.658 30.916,48.463 v1(31.012,48.463) 32.535,46.94 U1.30@33.167,46.94 ; v1@32.866,32.995 32.866,32.411 R147.1@32.918,32.36
  L3 w0.152: v1(31.012,48.463) 31.012,45.384 29.789,44.161 29.789,36.072 v1@32.866,32.995
  other v1: 32.866,32.974
ENET_LED1/SPEED: R153.1 R170.1 U1.31 | length 32.8
  L1 w0.152: R170.1@28.995,47.566 31.097,47.566 32.231,46.431 33.159,46.431 U1.31@33.167,46.44 ; R153.1@53.71,32.537 v1@53.71,33.309
  L3 w0.152: v1(31.85,46.761) 32.75,45.861 39.659,45.861 52.221,33.299 v1@53.669,33.299
  other v1: 53.71,33.26
ENET_NAND_TREE#: R146.1 R149.2 R173.1 U1.21 | length 10.9
  L1 w0.152: R146.1@26.941,52.857 26.941,52.872 27.125,53.056 27.314,53.056 27.445,53.187 27.926,53.187 28.965,52.148 28.965,52.093 R173.1@29.149,51.909 29.209,51.968 v1(30.936,51.968) ; R149.2@34.642,51.814 34.642,51.325 34.388,51.071 v1(34.388,51.045) 34.456,50.977 34.73,50.977 35.159,50.549 35.159,50.469 35.302,50.325 U1.21@35.302,50.075
  L4 w0.152: v1(30.936,51.968) 33.465,51.968 v1(34.388,51.045)
ENET_PHYAD0: R155.1 R158.1 U1.13 | length 9.5
  L1 w0.152: U1.13@37.937,47.94 39.511,47.94 v1(39.521,47.93) ; v1(42.551,47.606) R158.1@43.241,47.606
  L4 w0.152: v1(39.521,47.93) 39.586,47.995 41.847,47.995 42.205,47.637 v1@42.521,47.637
  L6 w0.152: v1@42.521,47.637 43.069,47.089 45.054,47.089 45.352,47.387 45.913,47.387 46.096,47.571 R155.1@46.096,47.586
ENET_PHYAD1: R156.1 R159.1 U1.14 | length 9.3
  L1 w0.152: U1.14@37.937,48.44 39.936,48.44 v1@40.053,48.557 ; v1(42.533,48.831) R159.1@43.222,48.831
  L4 w0.152: v1@40.099,48.531 40.429,48.862 v1@42.502,48.862
  L6 w0.152: v1(40.078,48.531) v1@40.099,48.531 ; v1@42.502,48.862 43,48.364 44.834,48.364 45.224,48.754 R156.1@46.046,48.754
ENET_PHYAD2: R139.2 R157.1 R160.1 U1.15 | length 16.5
  L1 w0.152: U1.15@37.937,48.94 39.649,48.94 v1@40.357,49.648 ; v1(40.332,49.674) 41.019,50.362 41.019,55.208 R139.2@40.314,55.913 R139.2@40.357,55.87 ; v1(42.577,50.045) R157.1@43.266,50.045
  L4 w0.152: v1(40.332,49.674) 40.733,50.075 v1@42.546,50.075
  L6 w0.152: v1@42.546,50.075 43.044,49.578 44.916,49.578 45.189,49.851 45.786,49.851 45.969,50.034 R160.1@45.969,50.049
ENET_RX_n: C26.2 D17.3 R23.2 T1.8 U1.4 | length 30.7
  L1 w0.179: U1.4@35.302,45.305 cw(c35.302,45.22) 35.388,45.22 35.388,43.612 ccw(c36.098,43.612) 36.098,42.902 37.285,42.902 cw(c37.285,42.647) 37.54,42.647 37.54,41.935 cw(c37.132,41.935) R23.2@37.132,41.528 cw(c37.132,41.054) 37.606,41.054 37.606,40.843 cw(c37.136,40.843) C26.2@37.136,40.373 37.613,39.896 37.613,39.31 38.967,37.956 43.424,37.956 43.529,37.851 43.529,37.652 42.972,37.095 42.972,36.462 D17.3@42.762,36.251 42.762,36.026 42.551,35.816 42.469,35.816 42.055,35.401 41.75,35.401 41.452,35.104 41.452,32.358 41.979,31.831 43.114,31.831 45.232,29.714 45.232,28.969 45.061,28.798 44.848,28.585 44.659,28.396 44.588,28.396 44.372,28.181 T1.8@44.372,26.186
ENET_RX_p: C27.2 D17.1 R22.2 T1.6 U1.5 | length 32.2
  L1 w0.179: U1.5@35.802,45.305 ccw(c35.802,45.22) 35.717,45.22 35.717,43.612 ccw(c36.098,43.612) 36.098,43.231 37.285,43.231 cw(c37.285,42.647) 37.869,42.647 37.869,42.068 ccw(c38.409,42.068) R22.2@38.409,41.528 ccw(c38.409,41.054) 37.935,41.054 37.935,40.856 ccw(c38.419,40.856) C27.2@38.419,40.373 37.942,39.896 37.942,39.446 39.103,38.285 43.561,38.285 43.859,37.987 43.859,37.752 44.451,37.159 44.451,36.462 D17.1@44.662,36.251 44.662,35.976 44.122,35.437 42.556,35.437 42.191,35.072 41.886,35.072 41.781,34.967 41.781,32.495 42.116,32.16 43.251,32.16 45.668,29.743 45.668,28.925 46.412,28.181 T1.6@46.412,26.186
ENET_TX_n: C52.1 D17.4 R16.2 T1.5 U1.6 | length 34.2
  L1 w0.179: U1.6@36.302,45.305 36.302,44.571 ccw(c37.082,44.571) 37.082,43.791 44.041,43.791 cw(c44.041,42.697) 45.134,42.697 45.134,41.843 cw(c44.717,41.843) R16.2@44.717,41.426 cw(c44.717,40.952) 45.191,40.952 45.191,40.508 cw(c44.782,40.508) C52.1@44.782,40.099 45.003,39.879 45.081,39.879 45.185,39.774 45.185,35.154 44.597,34.566 43.303,34.566 42.974,34.237 42.972,34.237 42.762,34.026 42.762,33.476 42.972,33.266 43.067,33.266 43.172,33.161 43.172,33.077 43.313,32.937 43.584,32.937 43.689,32.832 43.689,32.511 45.363,30.837 47.741,30.837 48.362,30.216 48.362,29.083 47.675,28.396 47.648,28.396 47.648,26.401 T1.5@47.432,26.186
ENET_TX_p: C62.2 D17.6 R17.2 T1.3 U1.7 | length 32.3
  L1 w0.179: U1.7@36.802,45.305 36.802,44.4 ccw(c37.082,44.4) 37.082,44.12 44.041,44.12 cw(c44.041,42.697) 45.463,42.697 45.463,41.908 ccw(c45.995,41.908) R17.2@45.995,41.377 ccw(c45.995,40.903) 45.521,40.903 45.521,40.508 ccw(c45.93,40.508) C62.2@45.93,40.099 45.515,39.684 45.515,35.018 44.872,34.375 44.872,33.962 44.251,33.341 44.251,33.077 44.018,32.844 44.018,32.647 45.5,31.166 47.877,31.166 48.691,30.352 48.691,29.084 49.257,28.518 49.257,26.401 T1.3@49.472,26.186
EXT-FREQ: J3.3 J38.M14 R36.2 R82.1 | length 100.5
  L1 w0.15: v1(15.469,71.196) 19.306,71.196 19.315,71.206 21.821,71.206 21.83,71.196 22.205,71.196 22.3,71.101 22.353,71.101 22.485,70.969 22.485,70.916 22.6,70.801 22.615,70.801 22.8,70.616 R82.1@22.8,70.601 ; v1(38.118,123.196) 38.227,123.196 38.579,123.548 39.569,123.548 40.08,123.037 41.106,123.037 J38.M14@41.631,122.512
  L3 w0.15: J3.3@14.005,120.979 10.77,117.744 10.77,107.999 12.229,106.54 12.229,97.055 12.119,96.945 12.119,89.825 11.784,89.49 11.784,75.727 11.813,75.698 11.813,75.595 15.469,71.94 v1(15.469,71.196)
  L4 w0.15: J3.3@14.005,120.979 16.768,120.979 20.173,124.384 21.04,124.384 21.201,124.544 24.813,124.544 25.232,124.964 25.49,124.964 25.7,125.174 25.7,127.181 25.832,127.313 30.501,127.313 32.741,125.073 36.876,125.073 38.05,123.899 38.05,123.264 v1(38.118,123.196)
  L6 w0.15: v1(15.469,71.196) 17.476,71.196 19.84,68.832 R36.2@19.84,68.817
EXT-GNT: J3.4 J38.M12 R33.2 R99.1 | length 99.6
  L1 w0.15: v1(15.215,73.889) 19.015,73.889 19.142,73.762 21.996,73.762 22.117,73.641 22.353,73.641 22.485,73.509 22.485,73.429 22.573,73.341 22.615,73.341 22.8,73.156 R99.1@22.8,73.141 ; v1(30.857,124.274) 30.882,124.249 32.152,124.249 34.42,121.981 41.063,121.981 J38.M12@41.631,121.412
  L3 w0.15: J3.4@14.005,118.439 12.217,116.651 12.217,109.893 12.529,109.582 12.529,96.93 12.419,96.821 12.419,80.5 13.812,79.107 14.171,79.107 15.9,77.378 15.9,74.574 v1(15.215,73.889)
  L4 w0.15: J3.4@14.005,118.439 14.005,118.783 15.177,119.954 22.552,119.954 22.841,120.244 26.24,120.244 26.301,120.183 29.884,120.183 30.29,120.589 30.29,122.418 30.857,122.985 v1(30.857,124.274)
  L6 w0.15: v1(15.215,73.889) 15.215,72.507 14.99,72.282 14.99,68.474 16.251,67.212 18.459,67.212 18.6,67.352 R33.2@19.84,67.352
EXT-PRI: J4.3 J38.N14 R34.2 R94.1 | length 80.7
  L1 w0.15: v1(18.332,72.492) 18.428,72.492 18.581,72.644 19.207,72.644 19.315,72.536 20.939,72.536 21.045,72.641 22.25,72.641 22.485,72.406 22.485,72.185 22.6,72.07 22.615,72.07 22.8,71.885 R94.1@22.8,71.87 ; v1(39.197,122.707) 39.294,122.707 39.488,122.512 J38.N14@40.531,122.512
  L3 w0.15: v1(18.332,72.492) 17.017,73.807 17.017,76.151 16.877,76.29 16.877,79.197 17.508,79.827 17.508,116.391 21.286,120.17 21.286,120.247 21.625,120.587 J4.3@21.625,120.979
  L4 w0.15: J4.3@21.625,120.979 21.625,121.341 22.033,121.341 25.356,124.664 26.192,124.664 26.301,124.773 34.132,124.773 36.239,122.666 39.156,122.666 v1(39.197,122.707)
  L6 w0.15: v1(18.332,72.492) 18.332,71.648 19.498,70.482 19.655,70.482 19.84,70.297 R34.2@19.84,70.282
EXT-REQ: J4.4 J38.N12 R32.2 R103.1 | length 75.3
  L1 w0.15: v1(19.994,75.259) 21.342,75.259 21.58,75.021 22.19,75.021 22.3,74.911 22.353,74.911 22.485,74.779 22.485,74.726 22.6,74.611 22.615,74.611 22.8,74.426 R103.1@22.8,74.411 ; v1(32.153,123.562) 32.211,123.504 32.472,123.504 34.296,121.681 39.285,121.681 39.553,121.412 J38.N12@40.531,121.412
  L3 w0.15: v1(19.994,75.259) 17.809,77.445 17.809,114.623 18.394,115.208 J4.4@21.625,118.439
  L4 w0.15: J4.4@21.625,118.439 21.805,118.439 23.248,119.883 30.162,119.883 30.59,120.311 30.59,122 v1(32.153,123.562)
  L6 w0.15: R32.2@19.84,71.746 19.84,75.008 19.994,75.163 v1(19.994,75.259)
FL_USB1_D_n: D18.1 J101.A7 J101.B7 R206.1 TP31.1 | length 41.3
  L1 w0.178: J101.B7@66.65,6.696 66.65,6.962 67.305,7.617 67.305,8.201 J101.A7@67.312,8.208
  L1 w0.255: R206.1@63.905,37.929 63.772,37.796 63.755,37.796 63.605,37.647 63.605,35.814 64.697,34.722 68.425,34.722 70.094,33.052 70.094,13.186 69.163,12.255 68.065,12.255 67.583,11.773 D18.1@67.583,11.333 ; v1@66.303,5.396 66.633,5.725 66.633,6.126 66.609,6.15 66.609,6.348 66.604,6.353 J101.B7@66.604,6.618 ; J101.A7@67.351,8.112 67.351,9.217 67.203,9.365 67.203,10.209 67.583,10.589 67.583,10.998 67.608,11.023 67.608,11.143 D18.1@67.631,11.165
  L6 w0.255: TP31.1@65.943,4.5 66.241,4.5 ccw(c66.241,4.851) 66.592,4.851 66.592,5.105 ccw(c66.312,5.105) v1(66.312,5.385)
FL_USB1_D_p: D18.2 J101.A6 J101.B6 R204.1 TP32.1 | length 43.9
  L1 w0.178: v1(66.27,7.287) 66.333,7.35 66.531,7.35 66.805,7.625 66.805,8.066 J101.A6@66.851,8.112 ; J101.B6@67.101,6.512 67.147,6.558 67.147,6.995 67.376,7.224 67.624,7.224 v1(67.687,7.287)
  L1 w0.255: R204.1@62.901,37.929 63.033,37.796 63.051,37.796 63.2,37.647 63.2,35.646 64.53,34.317 68.257,34.317 69.689,32.885 69.689,13.353 68.995,12.66 67.897,12.66 67.178,11.94 D18.2@67.178,11.333 ; J101.A6@66.851,8.112 66.844,8.12 66.844,8.835 66.203,9.475 66.203,10.155 66.366,10.318 66.793,10.318 66.793,10.379 67.173,10.759 67.173,11.003 67.153,11.023 67.153,11.143 D18.2@67.131,11.165 ; J101.B6@67.101,6.512 67.101,5.63 67.277,5.453 v1(67.277,5.385)
  L6 w0.255: v1(66.27,7.287) v1(67.687,7.287) ; v1(67.277,5.385) ccw(c67.277,5.105) 66.997,5.105 66.997,4.851 ccw(c67.349,4.851) 67.349,4.5 TP32.1@67.773,4.5
FTDI-EE-CLK: R87.1 U10.2 U108.62 | length 6.8
  L1 w0.15: U10.2@40.095,79.027 40.095,79.104 40.095,80.049 40.157,80.111 40.157,80.847 40.095,80.909 40.095,81.296 R87.1@40.167,81.368 ; R87.1@40.182,81.368 40.289,81.475 40.289,81.874 40.954,82.538 41.225,82.809 U108.62@43.707,82.809
FTDI-EE-CS: R88.1 U10.1 U108.63 | length 5.5
  L1 w0.15: U10.1@40.595,79.027 40.652,79.085 40.652,79.564 41.29,80.202 41.29,80.294 R88.1@41.475,80.479 41.475,81.646 42.139,82.309 U108.63@43.707,82.309
FTDI-EE-DATA: R90.1 U10.3 U108.61 | length 7.5
  L1 w0.15: U10.3@39.595,79.027 39.595,80.403 R90.1@39.672,80.479 39.672,81.925 39.814,82.067 39.98,82.067 41.222,83.309 U108.61@43.707,83.309